# Altium PCB SONDE_2.PcbDoc (part 4 of 10)
Units mil, origin at the board's own origin, x right, y up, seen from the top; angles counter-clockwise.
Board outline 10236.22 x 6701.71 mil, 4 copper layers (Top Layer, GND, Internal Plane 2, Bottom Layer), stack 30.9 mil thick; 1794 components, 936 nets, 4747 pads, 493 vias.
Unrouted connection lines stored in the file: 1122.
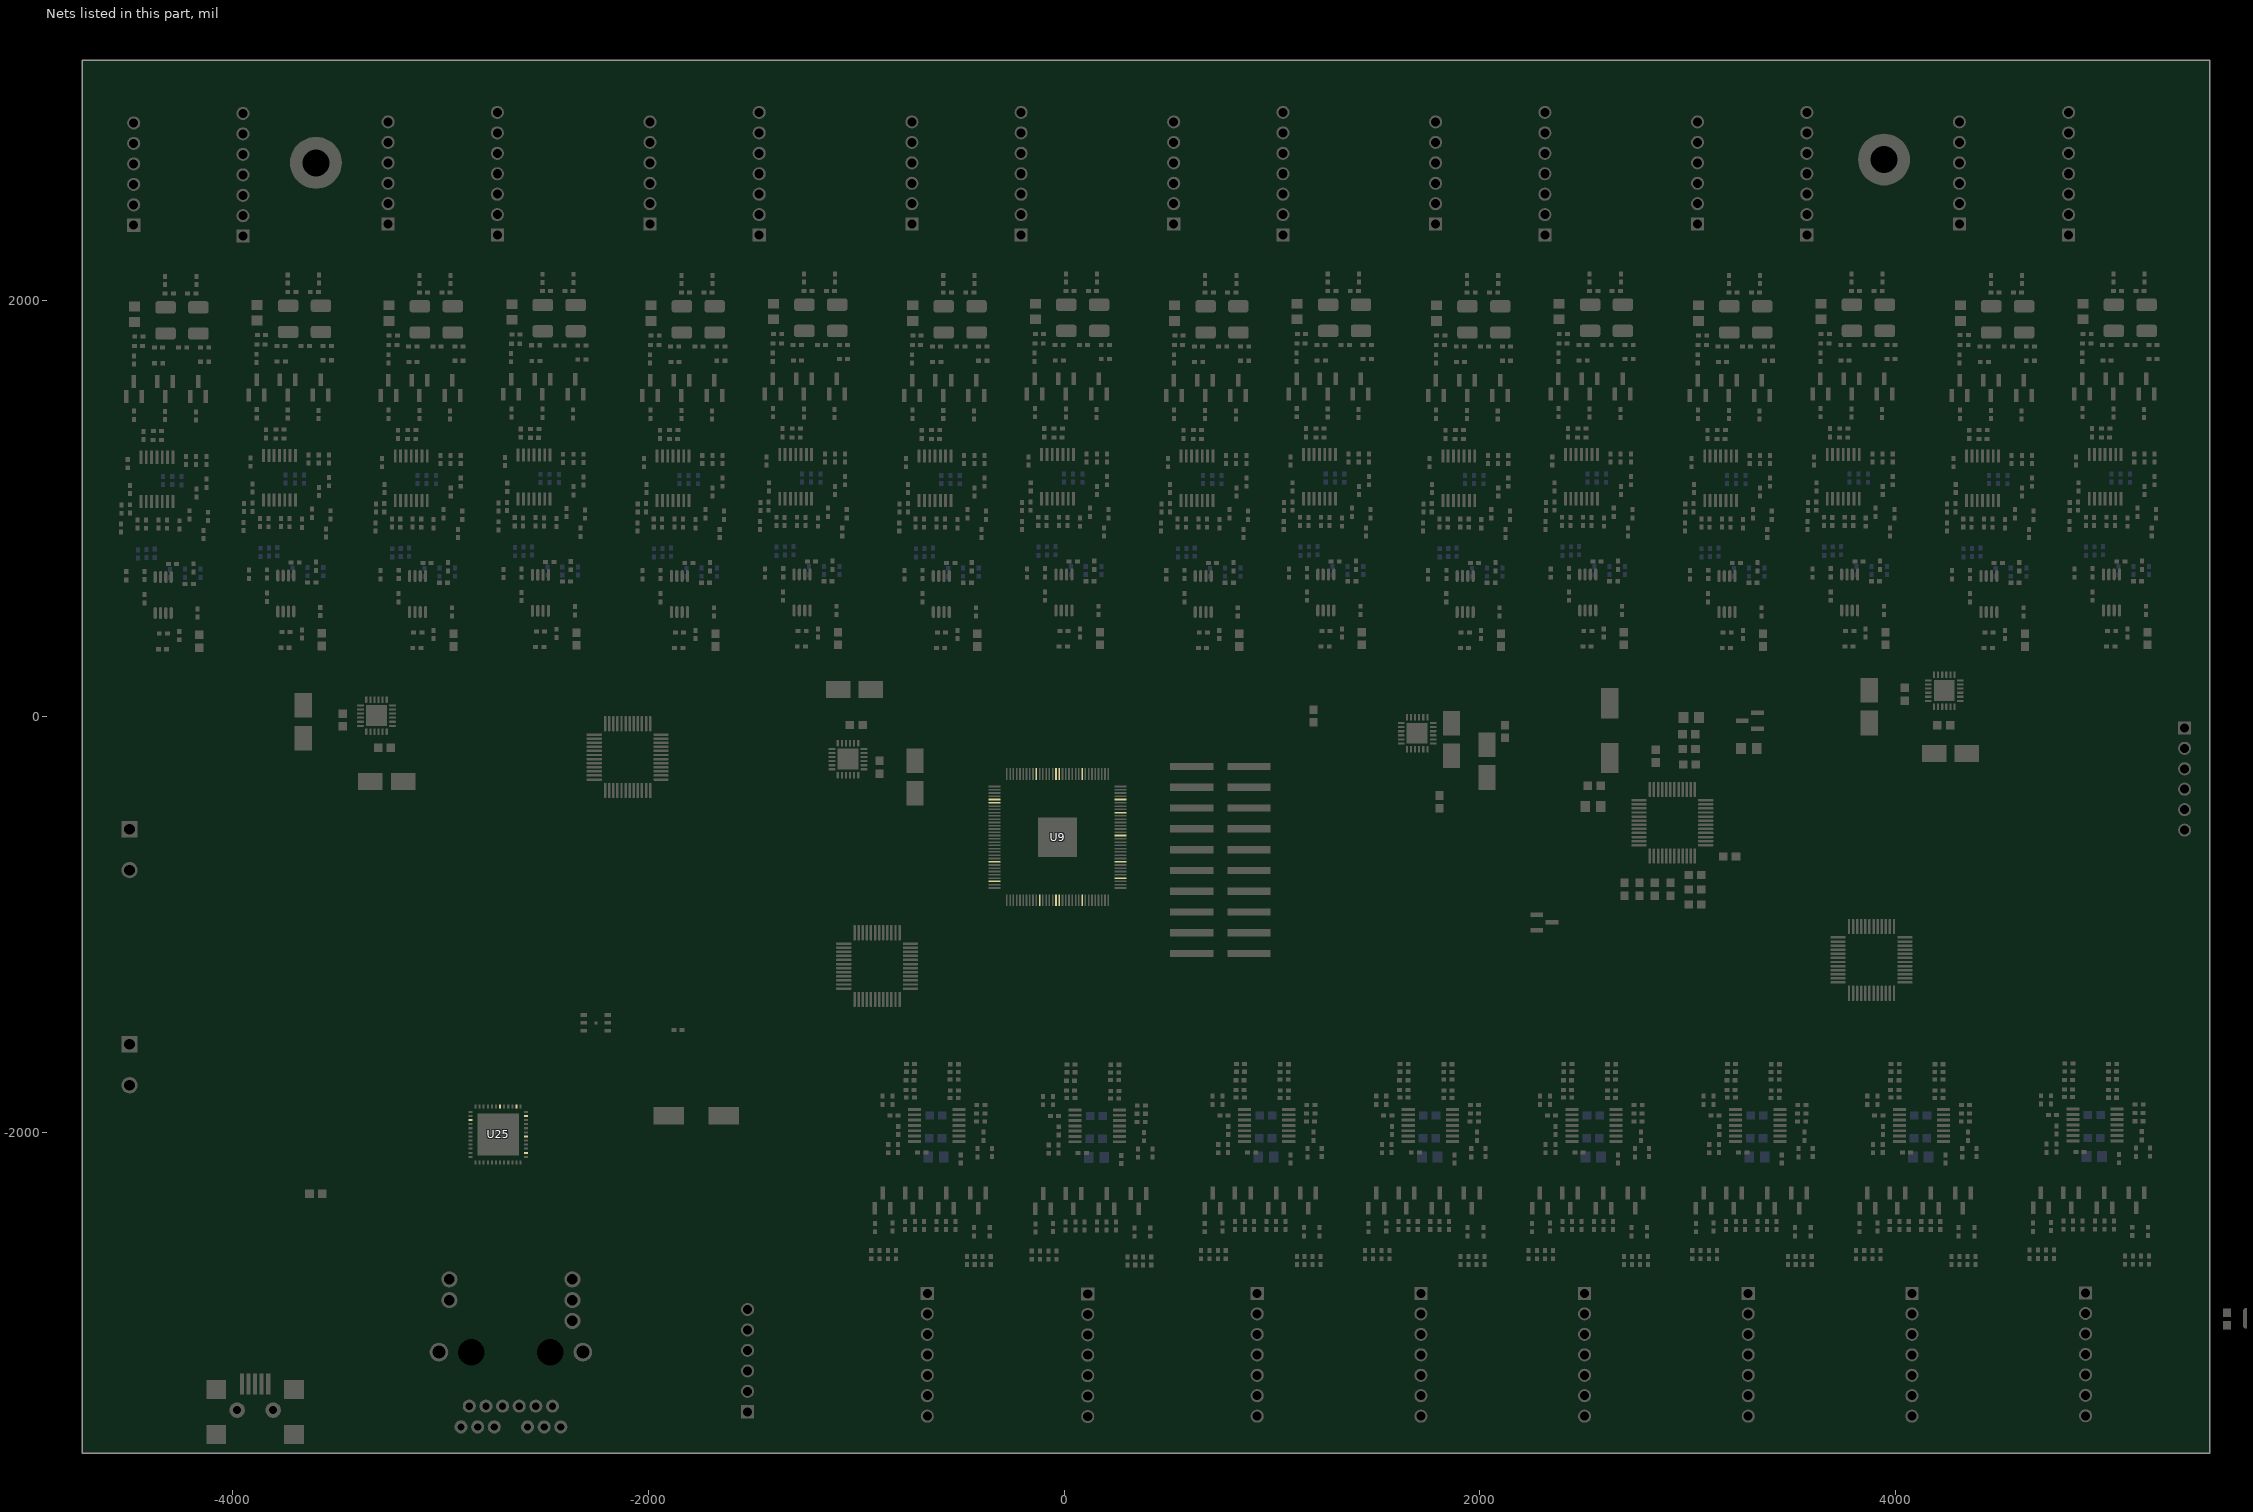
[diagram p6: the nets of this part, all layers, seen from the top]

## Components (designator, comment, footprint, x,y, rotation, side; value= is the part's Value field where it differs from the comment) (continued)
R108.2 "Resistor" 0402 274.57,-2130.54 r270 top (schematic designator R108)
R108.3 "Resistor" 0402 1089.74,-2128.46 r270 top (schematic designator R108)
R108.4 "Resistor" 0402 1877.14,-2128.46 r270 top (schematic designator R108)
R108.5 "Resistor" 0402 2664.54,-2128.46 r270 top (schematic designator R108)
R108.6 "Resistor" 0402 3451.95,-2128.46 r270 top (schematic designator R108)
R108.7 "Resistor" 0402 4239.35,-2128.46 r270 top (schematic designator R108)
R108.8 "Resistor" 0402 5074.57,-2126.38 r270 top (schematic designator R108)
R109 "Resistor" 0603 20670.1,-470.97 r90 top
R110 "Resistor" 0603 20949.1,-470.97 r90 top
R111 "Resistor" 0603 21219.1,-470.97 r90 top
R112 "Resistor" 0603 21469.1,-470.97 r90 top
R113 "Resistor" 0603 20400.1,-470.97 r90 top
R114 "Resistor" 0402 20114.1,-445.97 r90 top
R115 "Resistor" 0402 19843.1,-445.97 r90 top
R116 "Resistor" 0402 19573.1,-445.97 r90 top
R117 "Resistor" 0402 19033.1,-445.97 r90 top
R118 "RES - 1206" RES_1206 19337.1,-504.97 r90 top
R119 "Resistor" 0402 18762.1,-445.97 r90 top
R120 "Resistor" 0402 18482.1,-445.97 r90 top
R121 "RES - 1206" RES_1206 18256.1,-504.97 r90 top
R122 "Resistor" 0603 17958.1,-470.97 r90 top
R123 "Resistor" 0603 16560.1,-470.97 r90 top
R124 "Resistor" 0603 16000.1,-470.97 r90 top
R125 "Resistor" 0603 14180.1,-470.97 r90 top
R126 "Resistor" 0603 14460.1,-470.97 r90 top
R127 "Resistor" 0603 13900.1,-470.97 r90 top
R128 "RES - 0402" RES_0402 13326.1,-442.97 r90 top
R129 "Resistor" 0402 8292.1,1715.03 r90 top
R130 "Resistor" 0402 8012.1,1715.03 r90 top
R131 "Resistor" 0402 7752.1,1715.03 r90 top
R132 "Resistor" 0402 6551.1,1634.03 r90 top
R133 "Resistor" 0402 6832.25,1602.23 r90 top
R134 "Resistor" 0402 -1857.9,-1507.97 r180 top
R135 "Resistor" 0603 9266.1,-1637.97 r90 top
R136 "Resistor" 0603 9546.1,-1637.97 r90 top
R137 "Resistor" 0603 9826.1,-1637.97 r90 top
R138 "Resistor" 0603 6460.1,-1637.97 r90 top
R139 "Resistor" 0603 6740.1,-1637.97 r90 top
R140 "Resistor" 0603 7020.1,-1637.97 r90 top
S1 "SCREW" SCREW_4_40 -3599.67,2664.26 r0 top
S2 "SCREW" SCREW_4_40 7975.1,768.03 r0 top
S3 "SCREW" SCREW_4_40 7114.1,768.03 r0 top
S4 "SCREW" SCREW_4_40 3944.3,2680 r0 top
SW1 "Button" BUTTON_WS-TASV 13734.1,3570.03 r0 top
SW2 "Button" BUTTON_WS-TASV 13209.1,3570.03 r0 top
TP1 "TESTPOINT" 0603 13023.1,862.03 r0 top
TP2 "TESTPOINT" 0603 13202.1,831.03 r90 top
TP3 "TESTPOINT" 0603 12302.1,831.03 r90 top
TP4 "TESTPOINT" 0603 12532.1,831.03 r90 top
TP5 "TESTPOINT" 0603 12762.1,831.03 r90 top
TP6 "TESTPOINT" 0603 11102.1,831.03 r90 top
TP7 "TESTPOINT" 0603 11332.1,831.03 r90 top
TP8 "TESTPOINT" 0603 11562.1,831.03 r90 top
TP9 "TESTPOINT" 0603 11792.1,831.03 r90 top
TP10 "TESTPOINT" 0603 12022.1,831.03 r90 top
TP11 "TESTPOINT" 0603 10622.1,831.03 r90 top
TP12 "TESTPOINT" 0603 9842.1,831.03 r90 top
TP13 "TESTPOINT" 0603 10122.1,831.03 r90 top
TP14 "TESTPOINT" 0603 9282.1,831.03 r90 top
TP15 "TESTPOINT" 0603 9562.1,831.03 r90 top
TP16 "TESTPOINT" 0603 9002.1,831.03 r90 top
TP17 "TESTPOINT" 0603 8723.1,831.03 r90 top
TP18 "TESTPOINT" 0603 9502.1,3155.03 r90 top
U1 "CS2100_CP" MSOP10 7443.1,-2040.97 r90 top
U2 "OSC_ASDMB" OSC_ADSMB 7239.1,-1990.97 r0 top
U3 "REG_SW_AP3513EMPTR-G1" AP3513EMPTR-G1 -1765.65,-4566 r90 top
U4 "LP38693" SOT-223-5 -2463.75,-4652.03 r180 top
U5 "REG_LDO_LT1118" SOT-223-3 -3896.75,-4849.03 r90 top
U7 "TL783" TL783 -9240,-120 r180 bottom
U8 "REG_SW_MP3425DL-LF-Z" "14-VFDFN Exposed Pad" 6807.35,-3108 r0 top
U9 "Value" TQFP128_XMOS -31.62,-580 r90 top
U10 "USBLC6-2" USBLC6-2 6944.1,3160.03 r0 top
U11.1 "MCP1700" SOT23_132 3299.09,-19.72 r180 top (schematic designator U11)
U11.2 "MCP1700" SOT23_132 12847.1,4832.03 r90 top (schematic designator U11)
U12.1 "CS5368" LQFP_48L_CIRRUS 2925.96,-510.39 r270 top (schematic designator U12)
U12.2 "CS5368" LQFP_48L_CIRRUS -2100,-194.37 r0 top (schematic designator U12)
U13 "AD5144BCPZ10-RL7" QFN50P400X400X100-25N 4233.79,124.97 r180 top
U14 "AD5144BCPZ10-RL7" QFN50P400X400X100-25N -1040,-204.21 r0 top
U15 "AD5144BCPZ10-RL7" QFN50P400X400X100-25N 1698,-80 r0 top
U16 "AD5144BCPZ10-RL7" QFN50P400X400X100-25N -3308,5 r180 top
U17.1 "OPA_DUAL" SOP127P600-8N -4334.03,584.72 r270 top (schematic designator U17)
U17.2 "OPA_DUAL" SOP127P600-8N -3744.35,592.2 r270 top (schematic designator U17)
U17.3 "OPA_DUAL" SOP127P600-8N -3110.44,589.86 r270 top (schematic designator U17)
U17.4 "OPA_DUAL" SOP127P600-8N -2519.41,595.45 r270 top (schematic designator U17)
U17.5 "OPA_DUAL" SOP127P600-8N -1850.6,589.86 r270 top (schematic designator U17)
U17.6 "OPA_DUAL" SOP127P600-8N -1260.93,597.33 r270 top (schematic designator U17)
U17.7 "OPA_DUAL" SOP127P600-8N -590.76,589.86 r270 top (schematic designator U17)
U17.8 "OPA_DUAL" SOP127P600-8N -1.09,597.33 r270 top (schematic designator U17)
U17.9 "OPA_DUAL" SOP127P600-8N 669.08,589.86 r270 top (schematic designator U17)
U17.10 "OPA_DUAL" SOP127P600-8N 1258.76,597.33 r270 top (schematic designator U17)
U17.11 "OPA_DUAL" SOP127P600-8N 1928.93,589.86 r270 top (schematic designator U17)
U17.12 "OPA_DUAL" SOP127P600-8N 2518.6,597.33 r270 top (schematic designator U17)
U17.13 "OPA_DUAL" SOP127P600-8N 3188.77,589.86 r270 top (schematic designator U17)
U17.14 "OPA_DUAL" SOP127P600-8N 3778.44,597.33 r270 top (schematic designator U17)
U17.15 "OPA_DUAL" SOP127P600-8N 4448.61,589.86 r270 top (schematic designator U17)
U17.16 "OPA_DUAL" SOP127P600-8N 5038.28,597.33 r270 top (schematic designator U17)
U18.1 "OPA1664" 14-TSSOP -4364.55,1137.72 r180 top (schematic designator U18)
U18.2 "OPA1664" 14-TSSOP -3774.88,1145.2 r180 top (schematic designator U18)
U18.3 "OPA1664" 14-TSSOP -3140.97,1142.86 r180 top (schematic designator U18)
U18.4 "OPA1664" 14-TSSOP -2549.94,1148.45 r180 top (schematic designator U18)
U18.5 "OPA1664" 14-TSSOP -1881.13,1142.86 r180 top (schematic designator U18)
U18.6 "OPA1664" 14-TSSOP -1291.46,1150.33 r180 top (schematic designator U18)
U18.7 "OPA1664" 14-TSSOP -621.29,1142.86 r180 top (schematic designator U18)
U18.8 "OPA1664" 14-TSSOP -31.62,1150.33 r180 top (schematic designator U18)
U18.9 "OPA1664" 14-TSSOP 638.56,1142.86 r180 top (schematic designator U18)
U18.10 "OPA1664" 14-TSSOP 1228.23,1150.33 r180 top (schematic designator U18)
U18.11 "OPA1664" 14-TSSOP 1898.4,1142.86 r180 top (schematic designator U18)
U18.12 "OPA1664" 14-TSSOP 2488.07,1150.33 r180 top (schematic designator U18)
U18.13 "OPA1664" 14-TSSOP 3158.24,1142.86 r180 top (schematic designator U18)
U18.14 "OPA1664" 14-TSSOP 3747.91,1150.33 r180 top (schematic designator U18)
U18.15 "OPA1664" 14-TSSOP 4418.08,1142.86 r180 top (schematic designator U18)
U18.16 "OPA1664" 14-TSSOP 5007.75,1150.33 r180 top (schematic designator U18)
U19 "ST1S06PUR" DFN6_ST1S06 -2253,-1473 r0 top
U20 "REG_SW_AP3513EMPTR-G1" AP3513EMPTR-G1 19404.1,3607.03 r0 top
U21 "MIC2774N-29YM5-TR" SOT23_5 14207.1,3681.03 r0 top
U22.1 "MCP1700" SOT23_132 2310,-990 r0 top (schematic designator U22)
U22.2 "MCP1700" SOT23_132 10285.1,5822.03 r90 top (schematic designator U22)
U23.1 "CS4384" LQFP_48L_CIRRUS 3883.76,-1170.47 r0 top (schematic designator U23)
U23.2 "CS4384" LQFP_48L_CIRRUS -900,-1200 r0 top (schematic designator U23)
U24.1 "OPA1664" 14-TSSOP -609.08,-1966.46 r270 top (schematic designator U24)
U24.2 "OPA1664" 14-TSSOP 163,-1968.54 r270 top (schematic designator U24)
U24.3 "OPA1664" 14-TSSOP 978.18,-1966.46 r270 top (schematic designator U24)
U24.4 "OPA1664" 14-TSSOP 1765.58,-1966.46 r270 top (schematic designator U24)
U24.5 "OPA1664" 14-TSSOP 2552.98,-1966.46 r270 top (schematic designator U24)
U24.6 "OPA1664" 14-TSSOP 3340.38,-1966.46 r270 top (schematic designator U24)
U24.7 "OPA1664" 14-TSSOP 4127.78,-1966.46 r270 top (schematic designator U24)
U24.8 "OPA1664" 14-TSSOP 4963,-1964.38 r270 top (schematic designator U24)
U25 "PHY_ KSZ9021RN" PHY_KSZ9021RN -2721.94,-2010.15 r90 top
U26 "CONN_RJ45_L829_1J1T_43" L829-1J1T-43 -2661.59,-3057 r0 top
U27 "OSC_ASDMB" OSC_ADSMB 13181.1,-484.97 r0 top
U28 "OPA1622" 10-VFDFN 9461.1,1669.03 r0 top

## Footprints (in the part's own frame and the unit in brackets; to place one, negate y for a bottom-side part, rotate by r counter-clockwise, add the part's x,y. Pads: shape width x height; smd on the part's side, far side on the other; paste and mask are expansions set on the pad)
10-VFDFN [mm]
  rrect50% 0.6x0.24 smd paste-0.025 mask+0.05: 1(-1.4,1) 2(-1.4,0.5) 3(-1.4,0) 4(-1.4,-0.5) 5(-1.4,-1) 6(1.4,-1) 7(1.4,-0.5) 8(1.4,0) 9(1.4,0.5) 10(1.4,1)
  rrect5% 0.25x0.5 smd paste-0.025 mask+0.05: 11(-0.25,-1.45) 11(-0.25,1.45) 11(0.25,-1.45) 11(0.25,1.45)
  rrect5% 1.65x2.4 smd paste-0.025 mask+0.05: 11(0,0)
  silkscreen extent -2.8,-2 2,2, body extent -1.56,-1.56 1.56,1.56, height 1
14-TSSOP [mm]
  rect 0.35x1.6 smd paste+0 mask+0.05: 1(-1.95,-2.8) 2(-1.3,-2.8) 3(-0.65,-2.8) 4(0,-2.8) 5(0.65,-2.8) 6(1.3,-2.8) 7(1.95,-2.8) 8(1.95,2.6) 9(1.3,2.6) 10(0.65,2.6) 11(0,2.6) 12(-0.65,2.6) 13(-1.3,2.6) 14(-1.95,2.6)
  silkscreen extent -2.6,-4.59 2.6,3.9, body extent -2.55,-3.2 2.55,3.2, height 1.2
"14-VFDFN Exposed Pad" [mm]
  rect 0.7x0.25 smd paste-0.025 mask+0.07: 1(-1.45,1.5) 2(-1.45,1) 3(-1.45,0.5) 4(-1.45,0) 5(-1.45,-0.5) 6(-1.45,-1) 7(-1.45,-1.5) 8(1.45,-1.5) 9(1.45,-1) 10(1.45,-0.5) 11(1.45,0) 12(1.45,0.5) 13(1.45,1) 14(1.45,1.5)
  rect 1.7x3.3 smd paste-0.025 mask+0.07: 15(0,0)
  silkscreen extent -2.96,-2.16 2.31,2.13, body extent -1.5,-1.99 1.5,1.99, height 0.77
0402 [mm] "Chip Capacitor, Body 1.0x0.5mm, IPC High Density"
  rect 0.6x0.5 smd: 1(-0.5,0) 2(0.5,0)
  silkscreen extent -0.9,-0.35 0.9,0.35, body extent -0.55,-0.3 0.55,0.3, height 1.3
0603 [mm]
  rect 1.05x1 smd: 1(-0.775,0) 2(0.775,0)
  silkscreen extent 0,-0.08 0,0.08, body extent -0.85,-0.47 0.85,0.48, height 0.55
0805 [mm]
  rect 1.2x1.35 smd: 1(-0.95,0) 2(0.95,0)
  silkscreen extent -0.15,-0.58 0.15,0.57, body extent -1.1,-0.68 1.1,0.67, height 0.65
0805_LED [mm]
  rect 1.2x1.35 smd: A(0.95,0) K(-0.95,0)
  silkscreen extent -0.15,-0.58 0.15,0.58, body extent -1.1,-0.67 1.1,0.67, height 0.65
1206 [mm]
  rect 1.45x1.8 smd: 1(-1.425,0) 2(1.425,0)
  silkscreen extent -0.3,-0.8 0.3,0.8, body extent -1.73,-0.88 1.72,0.87, height 0.7
1206_PTC [mm]
  rect 1.1x1.75 smd paste+0.025 mask+0.07: 1(-1.55,0) 2(1.55,0)
  silkscreen extent -2.74,-1.27 2.64,1.27, body extent -1.52,-0.8 1.68,0.85, height 0.56
AP3513EMPTR-G1 [mm] "SW REG"
  rect 0.65x1.5 smd paste-0.025 mask+0.07: 1(-1.905,-2.7) 2(-0.635,-2.7) 3(0.635,-2.7) 4(1.905,-2.7) 5(1.905,2.7) 6(0.635,2.7) 7(-0.635,2.7) 8(-1.905,2.7)
  rect 3.6x2.7 smd paste-0.025 mask+0.07: 9(0,0)
  silkscreen extent -2.9,-4.35 2.9,3.81, body extent -2.45,-3 2.45,3, height 1.7
BUTTON_WS-TASV [mm]
  rect 1.3x1.55 smd mask+0.12: 1(2.25,3.975) 2(-2.25,3.975) 3(2.25,-3.975) 4(-2.25,-3.975)
  silkscreen extent -3,-3 3,3, body extent -3.1,-4.5 3.1,4.5, height 5
CAP_1210 [mm]
  rrect40% 1.5x2.5 smd: 1(-1.6,0) 2(1.6,0)
  silkscreen extent -2.54,-1.78 2.54,1.78, body extent -1.57,-1.24 1.63,1.26, height 2.5
CAP_ALU_1010_vishay [mm]
  rrect50% 4.4x2.5 smd: 1(8.4,0) 2(0,0)
  silkscreen extent -0.72,-6.05 11.22,5.28, body extent -1.4,-5.17 10.2,5.13, height 10.2
CAP_RAD_SMD_DIA157 [mm]
  rect 3x2.1 smd: +(-2,0) -(2,0)
  silkscreen extent -2.15,-2.15 2.15,2.15, body extent -2.13,-2.15 2.15,2.15, height 5.2
CAP_RAD_SMD_DIA315 [mm]
  rect 3.7x2.1 smd: +(-3.35,0) -(3.35,0)
  silkscreen extent -4.15,-4.15 4.15,4.15, body extent -3.97,-3.99 4,3.99, height 6
CONN6_100mils_pol_SMD [mm]
  rect 0.89x5.308 smd mask+0.12: 1(-2.54,-3.504) 2(-2.54,3.504) 3(0,-3.504) 4(0,3.504) 5(2.54,-3.504) 6(2.54,3.504)
  silkscreen extent -7.62,-5.64 7.62,5.1, body extent -7.62,-5.1 7.62,5.1, height 9
CONN20_100mils_pol_SMD [mm]
  rect 0.89x5.308 smd mask+0.12: 1(-11.43,-3.504) 2(-11.43,3.504) 3(-8.89,-3.504) 4(-8.89,3.504) 5(-6.35,-3.504) 6(-6.35,3.504) 7(-3.81,-3.504) 8(-3.81,3.504) 9(-1.27,-3.504) 10(-1.27,3.504) 11(1.27,-3.504) 12(1.27,3.504) 13(3.81,-3.504) 14(3.81,3.504) 15(6.35,-3.504) 16(6.35,3.504) 17(8.89,-3.504) 18(8.89,3.504) 19(11.43,-3.504) 20(11.43,3.504)
  silkscreen extent -16.51,-5.61 16.51,5.1, body extent -16.51,-5.1 16.51,5.1, height 9
CONN_6_HEADER [mm]
  rect 1.6x1.6 hole 1.1: 1(-6.25,0)
  round 1.6 hole 1.1: 2(-3.75,0) 3(-1.25,0) 4(1.25,0) 5(3.75,0) 6(6.25,0)
  silkscreen extent -8.75,-3.13 8.75,3.5, body extent -8.65,-2.39 8.75,3.36, height 7
CONN_7_HEADER [mm]
  rect 1.6x1.6 hole 1.1 mask+0.07: 1(-7.5,0)
  round 1.6 hole 1.1 mask+0.07: 2(-5,0) 3(-2.5,0) 4(0,0) 5(2.5,0) 6(5,0) 7(7.5,0)
  silkscreen extent -10.16,-3.4 9.91,3.5, body extent -9.99,-2.39 9.91,3.36, height 7
CONN_USB_MINIB_690-005-299-043 [mm]
  rect 2.6x0.5 smd mask+0.076: 1(-3.1,-1.6) 2(-3.1,-0.8) 3(-3.1,0) 4(-3.1,0.8) 5(-3.1,1.6)
  rect 2.3x2.4 smd: MH1(-2.4,-4.75) MH2(3.1,-4.75) MH3(3.1,4.75) MH4(-2.4,4.75)
  round 1.905 hole 1: ""(0.1,2.2) ""(0.1,-2.2)
  silkscreen extent -4.17,-2.43 -3.92,-2.18, body extent -3.33,-5.12 5.97,5.13, height 4.24
DFN6_ST1S06 [mm]
  rect 0.8x0.45 smd: 1(-1.45,0.95) 2(-1.45,0) 3(-1.45,-0.95) 4(1.45,-0.95) 5(1.45,0) 6(1.45,0.95)
  rect 0.35x0.35 smd: PAD(0,0)
  Top Layer region: -0.75,1 -0.5,1.25 0.75,1.25 0.75,-1.25 -0.75,-1.25
  silkscreen extent -2.47,-1.5 0.65,1.5, body extent -1.5,-1.5 1.5,1.5, height 0.9
DIODE_DO-214AC/SMA [mm]
  rect 2.3x1.8 smd: A(2.125,0) K(-2.125,0)
  silkscreen extent -3.05,-1.4 2.25,1.78, body extent -2.25,-1.39 2.25,1.4, height 2.29
DIODE_SMA [mil]
  rect 74x66 smd: A(81,0) K(-81,0)
  silkscreen extent -117,-56 89,57, body extent -89,-56 89,56, height 98
DO-214AB [mm]
  rect 2.5x3.3 smd: 1(-3.45,0) 2(3.45,0)
  silkscreen extent -5.33,-2.29 6.1,2.29, body extent -2.74,-1.4 2.74,1.4, height 1.14
FIDUCIAL [mm]
  rrect100% 1x1 smd mask+1: 0(0,0)
IND_252012CDMC/DS [mm]
  rect 0.9x2.2 smd: 1(-1.05,0) 2(1.05,0)
  silkscreen extent -0.05,-1 0.05,1, body extent -1.25,-1 1.25,1, height 1.2
L829-1J1T-43 [mil]
  round 63 hole 35 paste+0 mask+2.7: 1(-200,-260) 2(-120,-260) 3(-40,-260) 4(40,-260) 5(120,-260) 6(200,-260) 7(-240,-360) 8(-160,-360) 9(-80,-360) 10(80,-360) 11(160,-360) 12(240,-360)
  round 78 hole 50 paste+0 mask+2.7: 13(-296,250) 14(-296,350) 15(296,150) 16(296,250) 17(296,350)
  round 90 hole 62 paste+0 mask+2.7: 18(-346,0) 19(346,0)
  round 0 hole 128 paste+0 mask+2.7: ""(-190,0) ""(190,0)
  silkscreen extent -444,-459 408,407, body extent -401,-424 401,543, height 493
LQFP_48L_CIRRUS [mm]
  rrect50% 1.85x0.3 smd mask+0.06: 1(-4.075,2.75) 2(-4.075,2.25) 3(-4.075,1.75) 4(-4.075,1.25) 5(-4.075,0.75) 6(-4.075,0.25) 7(-4.075,-0.25) 8(-4.075,-0.75) 9(-4.075,-1.25) 10(-4.075,-1.75) 11(-4.075,-2.25) 12(-4.075,-2.75) 25(4.075,-2.75) 26(4.075,-2.25) 27(4.075,-1.75) 28(4.075,-1.25) 29(4.075,-0.75) 30(4.075,-0.25) 31(4.075,0.25) 32(4.075,0.75) 33(4.075,1.25) 34(4.075,1.75) 35(4.075,2.25) 36(4.075,2.75)
  rrect50% 0.3x1.85 smd mask+0.06: 13(-2.75,-4.075) 14(-2.25,-4.075) 15(-1.75,-4.075) 16(-1.25,-4.075) 17(-0.75,-4.075) 18(-0.25,-4.075) 19(0.25,-4.075) 20(0.75,-4.075) 21(1.25,-4.075) 22(1.75,-4.075) 23(2.25,-4.075) 24(2.75,-4.075) 37(2.75,4.075) 38(2.25,4.075) 39(1.75,4.075) 40(1.25,4.075) 41(0.75,4.075) 42(0.25,4.075) 43(-0.25,4.075) 44(-0.75,4.075) 45(-1.25,4.075) 46(-1.75,4.075) 47(-2.25,4.075) 48(-2.75,4.075)
  silkscreen extent -4.81,-2.75 2.75,3.45, body extent -4.5,-4.5 4.5,4.5, height 1.6
MSOP10 [mm]
  rect 1.4x0.3 smd mask+0.04: 1(-2.25,1) 2(-2.25,0.5) 3(-2.25,0) 4(-2.25,-0.5) 5(-2.25,-1) 6(2.25,-1) 7(2.25,-0.5) 8(2.25,0) 9(2.25,0.5) 10(2.25,1)
  silkscreen extent -2.82,-1.6 1.2,1.82, body extent -2.4,-1.5 2.4,1.5, height 1.1
OSC_ADSMB [mm]
  rect 1.55x0.65 smd mask+0.07: 1(-1.125,0.825) 2(-1.125,-0.825) 3(1.125,-0.825) 4(1.125,0.825)
  silkscreen extent -2.57,-1.6 1.6,1.6, body extent -1,-1.25 1,1.25, height 0.86
PHY_KSZ9021RN [mm] "QFN, 48-Leads, Body 7,00x7,00mm, Pitch 0,50mm, Thermal Pad 5,10x5,10mm, IPC Medium Density"
  rect 0.5x0.25 smd mask+0.05: 1(-3.4,2.79) 2(-3.4,2.29) 3(-3.4,1.79) 4(-3.4,1.29) 5(-3.4,0.79) 6(-3.4,0.29) 7(-3.4,-0.21) 8(-3.4,-0.71) 9(-3.4,-1.21) 10(-3.4,-1.71) 11(-3.4,-2.21) 12(-3.4,-2.71) 25(3.4,-2.71) 26(3.4,-2.21) 27(3.4,-1.71) 28(3.4,-1.21) 29(3.4,-0.71) 30(3.4,-0.21) 31(3.4,0.29) 32(3.4,0.79) 33(3.4,1.29) 34(3.4,1.79) 35(3.4,2.29) 36(3.4,2.79)
  rect 0.25x0.5 smd mask+0.05: 13(-2.74,-3.4) 14(-2.24,-3.4) 15(-1.74,-3.4) 16(-1.24,-3.4) 17(-0.74,-3.4) 18(-0.24,-3.4) 19(0.26,-3.4) 20(0.76,-3.4) 21(1.26,-3.4) 22(1.76,-3.4) 23(2.26,-3.4) 24(2.76,-3.4) 37(2.76,3.4) 38(2.26,3.4) 39(1.76,3.4) 40(1.26,3.4) 41(0.76,3.4) 42(0.26,3.4) 43(-0.24,3.4) 44(-0.74,3.4) 45(-1.24,3.4) 46(-1.74,3.4) 47(-2.24,3.4) 48(-2.74,3.4)
  rect 5.1x5.1 smd mask+0.05: 49(0,0)
  silkscreen extent -4.76,-3.98 4.01,3.99, body extent -3.52,-3.52 3.53,3.53, height 0.9
QFN50P400X400X100-25N [mm]
  rrect50% 0.81x0.26 smd paste-0.025 mask+0.05: 1(-1.955,1.25) 2(-1.955,0.75) 3(-1.955,0.25) 4(-1.955,-0.25) 5(-1.955,-0.75) 6(-1.955,-1.25) 13(1.955,-1.25) 14(1.955,-0.75) 15(1.955,-0.25) 16(1.955,0.25) 17(1.955,0.75) 18(1.955,1.25)
  rrect50% 0.26x0.81 smd paste-0.025 mask+0.05: 7(-1.25,-1.955) 8(-0.75,-1.955) 9(-0.25,-1.955) 10(0.25,-1.955) 11(0.75,-1.955) 12(1.25,-1.955) 19(1.25,1.955) 20(0.75,1.955) 21(0.25,1.955) 22(-0.25,1.955) 23(-0.75,1.955) 24(-1.25,1.955)
  rect 2.546x2.546 smd paste-0.025 mask+0.05: 25(0,0)
  silkscreen extent -3.1,-2 2,2, body extent -2,-2 2,2, height 0.9
RES_0402 [mil]
  rrect60% 20x20 smd: 1(-17.5,0) 2(17.5,0)
  silkscreen extent -32,-15 32,15, body extent -23,-11 23,11, height 16
RES_1206 [mil]
  rrect34% 47x71 smd: 1(-57,0) 2(57,0)
  silkscreen extent -91,-45 91,45, body extent -66,-34 66,34, height 33
SCREW_4_40 [mil]
  rrect100% 250x250 hole 130 mask+0.79: 1(0,0)
SOD-123F [mm]
  rect 1.15x1.3 smd paste-0.025 mask+0.07: 1(-1.55,0) 2(1.55,0)
  silkscreen extent -2.54,-1.27 3.3,1.27, body extent -1.85,-0.85 1.9,0.85, height 1.2
SOP127P600-8N [mm]
  oval 1.45x0.401 smd mask+0.04: 1(-2.2,0.975) 2(-2.2,0.325) 3(-2.2,-0.325) 4(-2.2,-0.975) 5(2.2,-0.975) 6(2.2,-0.325) 7(2.2,0.325) 8(2.2,0.975)
  silkscreen extent -2.32,-1.55 0.93,1.88, body extent -1.55,-1.55 1.55,1.55, height 1.1
SOT23_5 [mm]
  rect 0.9x0.6 smd mask+0.07: 1(-1.2,0.95) 2(-1.2,0) 3(-1.2,-0.95) 4(1.2,-0.95) 5(1.2,0.95)
  silkscreen extent -1.32,-1.5 0.35,1.92, body extent -0.87,-1.5 0.87,1.5, height 1.45
SOT23_132 [mm]
  rect 1.55x0.55 smd: 1(-0.925,0.95) 2(-0.925,-0.95) 3(0.925,0)
  silkscreen extent -1.05,-1.5 0.7,1.9, body extent -0.7,-1.5 0.7,1.5, height 1.2
SOT23_GDS [mm]
  rect 1.55x0.55 smd: D(0.925,0) G(-0.925,0.95) S(-0.925,-0.95)
  silkscreen extent -1.05,-1.5 0.7,1.9, body extent -0.7,-1.5 0.7,1.5, height 1.2
SOT-223-3 [mil]
  rect 39x59 smd paste-0.98 mask+2.76: 1(-90,-124) 2(0,-124) 3(90,-124)
  rect 129x59 smd paste-0.98 mask+2.76: 4(0,124)
  silkscreen extent -130,-230 130,180, body extent -132,-144 132,144, height 71
SOT-223-5 [mm]
  rect 1x1.5 smd paste-0.025 mask+0.07: 1(-2.25,-3.15) 2(-0.75,-3.15) 3(0.75,-3.15) 4(2.25,-3.15)
  rect 3.3x1.5 smd paste-0.025 mask+0.07: 5(0,3.15)
  silkscreen extent -3.81,-5.59 3.81,4.32, body extent -3.35,-3.64 3.35,3.65, height 1.81
SRN5040-4R7M [mm] "inductor"
  rect 1.5x4 smd paste-0.025 mask+0.07: 1(-1.8,0) 2(1.8,0)
  silkscreen extent -3.17,-3.2 3.17,3.05, body extent -2.5,-2.53 2.5,2.47, height 4
"TERM BLOCK" [mm]
  rect 2x2 hole 1.3 paste-0.025 mask+0.07: 1(-2.5,0)
  round 2 hole 1.3 paste-0.025 mask+0.07: 2(2.5,0)
  silkscreen extent -5.61,-5.61 6.02,4.57, body extent -5.01,-5.04 5.39,3.96, height 11.7
TL783 [mm] "TO-263-4"
  rect 1x3.4 smd paste-0.05 mask+0.07: 1(-2.54,-10.6) 2(0,-10.6) 3(2.54,-10.6)
  rect 10.7x8.6 smd paste-0.05 mask+0.07: 4(0,0)
  silkscreen extent -6.6,-13.26 6.6,5.03, body extent -5.28,-10.16 5.38,2.11, height 1.7
TQFP128_XMOS [mm]
  rect 1.45x0.2 smd mask+0.051: 1(-7.7,6.2) 2(-7.7,5.8) 3(-7.7,5.4) 4(-7.7,5) 5(-7.7,4.6) 6(-7.7,4.2) 7(-7.7,3.8) 8(-7.7,3.4) 9(-7.7,3) 10(-7.7,2.6) 11(-7.7,2.2) 12(-7.7,1.8) 13(-7.7,1.4) 14(-7.7,1) 15(-7.7,0.6) 16(-7.7,0.2) 17(-7.7,-0.2) 18(-7.7,-0.6) 19(-7.7,-1) 20(-7.7,-1.4) 21(-7.7,-1.8) 22(-7.7,-2.2) 23(-7.7,-2.6) 24(-7.7,-3) 25(-7.7,-3.4) 26(-7.7,-3.8) 27(-7.7,-4.2) 28(-7.7,-4.6) 29(-7.7,-5) 30(-7.7,-5.4) 31(-7.7,-5.8) 32(-7.7,-6.2) 65(7.7,-6.2) 66(7.7,-5.8) 67(7.7,-5.4) 68(7.7,-5) 69(7.7,-4.6) 70(7.7,-4.2) 71(7.7,-3.8) 72(7.7,-3.4) 73(7.7,-3) 74(7.7,-2.6) 75(7.7,-2.2) 76(7.7,-1.8) 77(7.7,-1.4) 78(7.7,-1) 79(7.7,-0.6) 80(7.7,-0.2) 81(7.7,0.2) 82(7.7,0.6) 83(7.7,1) 84(7.7,1.4) 85(7.7,1.8) 86(7.7,2.2) 87(7.7,2.6) 88(7.7,3) 89(7.7,3.4) 90(7.7,3.8) 91(7.7,4.2) 92(7.7,4.6) 93(7.7,5) 94(7.7,5.4) 95(7.7,5.8) 96(7.7,6.2)
  rect 0.2x1.45 smd mask+0.051: 33(-6.2,-7.7) 34(-5.8,-7.7) 35(-5.4,-7.7) 36(-5,-7.7) 37(-4.6,-7.7) 38(-4.2,-7.7) 39(-3.8,-7.7) 40(-3.4,-7.7) 41(-3,-7.7) 42(-2.6,-7.7) 43(-2.2,-7.7) 44(-1.8,-7.7) 45(-1.4,-7.7) 46(-1,-7.7) 47(-0.6,-7.7) 48(-0.2,-7.7) 49(0.2,-7.7) 50(0.6,-7.7) 51(1,-7.7) 52(1.4,-7.7) 53(1.8,-7.7) 54(2.2,-7.7) 55(2.6,-7.7) 56(3,-7.7) 57(3.4,-7.7) 58(3.8,-7.7) 59(4.2,-7.7) 60(4.6,-7.7) 61(5,-7.7) 62(5.4,-7.7) 63(5.8,-7.7) 64(6.2,-7.7) 97(6.2,7.7) 98(5.8,7.7) 99(5.4,7.7) 100(5,7.7) 101(4.6,7.7) 102(4.2,7.7) 103(3.8,7.7) 104(3.4,7.7) 105(3,7.7) 106(2.6,7.7) 107(2.2,7.7) 108(1.8,7.7) 109(1.4,7.7) 110(1,7.7) 111(0.6,7.7) 112(0.2,7.7) 113(-0.2,7.7) 114(-0.6,7.7) 115(-1,7.7) 116(-1.4,7.7) 117(-1.8,7.7) 118(-2.2,7.7) 119(-2.6,7.7) 120(-3,7.7) 121(-3.4,7.7) 122(-3.8,7.7) 123(-4.2,7.7) 124(-4.6,7.7) 125(-5,7.7) 126(-5.4,7.7) 127(-5.8,7.7) 128(-6.2,7.7)
  rect 4.8x4.8 smd paste-5: 129(0,0)
  silkscreen extent -8.32,-6.55 6.55,6.97, body extent -7,-7 7,7, height 1.01
USBLC6-2 [mm]
  rect 0.99x0.3 smd mask+0.05: 1(-0.805,0.5) 2(-0.805,0) 3(-0.805,-0.5) 4(0.805,-0.5) 5(0.805,0) 6(0.805,0.5)
  silkscreen extent -0.93,-0.85 0.05,1.32, body extent -0.65,-0.85 0.65,0.85, height 0.6

## Part data
C5 C6 C8 C9 C15 C35.1 C35.2 C42 C43 C44 C45 C50 C51 C52 C53 C90 C91 C93 C94 C126.1 C126.2 C151: "Capacitor"
C7 C183 C185: library part Capacitor_Polarized_1, "Capacitor"
C18: library part CAP_ALU_MAL215099101E3, "CAP - ALU 100uF 20% 50V - 1010"
D2 D3 D19 D20 D21 D22 D23 D24: "LED"
D4 D8 D9 D10.1 D10.2 D10.3 D10.4 D10.5 D10.6 D10.7 D10.8 D10.9 D10.10 D10.11 D10.12 D10.13 D10.14 D10.15 D10.16 D11.1 D11.2 D11.3 D11.4 D11.5 D11.6 D11.7 D11.8 D11.9 D11.10 D11.11 D11.12 D11.13 D11.14 D11.15 D11.16 D12.1 D12.2 D12.3 D12.4 D12.5 D12.6 D12.7 D12.8 D12.9 D12.10 D12.11 D12.12 D12.13 D12.14 D12.15 D12.16 D13.1 D13.2 D13.3 D13.4 D13.5 D13.6 D13.7 D13.8 D14.1 D14.2 D14.3 D14.4 D14.5 D14.6 D14.7 D14.8 D15.1 D15.2 D15.3 D15.4 D15.5 D15.6 D15.7 D15.8 D16.1 D16.2 D16.3 D16.4 D16.5 D16.6 D16.7 D16.8: "Diode"
D6: "Vf = 390mV, Vr = 20V"
J3: "20-pins"
J4: "USB On-The-Go (OTG) Mini-B Receptacle, Right Angle, SMT, 0.80mm (.031\") Pitch, Solder Tabs with Back Cover, Recessed Type"
J5.1 J5.2 J5.3 J5.4 J5.5 J5.6 J5.7 J5.8 J6.1 J6.2 J6.3 J6.4 J6.5 J6.6 J6.7 J6.8: library part CON_XH_JST_7pins
P1: "6-pins"
Q1: "PMOS"
Q2 Q3 Q4: "BJT NPN"
S1 S2 S3 S4: "Screw hole"
TP1 TP2 TP3 TP4 TP5 TP6 TP7 TP8 TP9 TP10 TP11 TP12 TP13 TP14 TP15 TP16 TP17 TP18: "Test point"
U1: "Fractional-N Clock Multiplier, Crystal Reference, MSOP10"
U2 U27: "Oscillator; 1V8 to 3V3"
U9: library part XMOS_XEF216-512-TQ128, "32-bit multicore microcontroller. 2 Tiles. 16 Logical Cores. 512KB SRAM. 1000MIPS. TQFP128."
U10: "USB overvoltage protection"
U11.1 U11.2 U22.1 U22.2: "Linear voltage regulator"
U12.1 U12.2: "ADC, 24bit, 8 chan, 192kHz, PCM, TDM, LQFP48"
U17.1 U17.2 U17.3 U17.4 U17.5 U17.6 U17.7 U17.8 U17.9 U17.10 U17.11 U17.12 U17.13 U17.14 U17.15 U17.16: "Dual amplifier (standard)"
U18.1 U18.2 U18.3 U18.4 U18.5 U18.6 U18.7 U18.8 U18.9 U18.10 U18.11 U18.12 U18.13 U18.14 U18.15 U18.16 U24.1 U24.2 U24.3 U24.4 U24.5 U24.6 U24.7 U24.8: "Quad amplifier (audio)"
U19: "DC-DC Buck Converter, 1.5A, 1.5MHz, DFN6"
U21: "Voltage supervisor and power-on timer, dual"
U23.1 U23.2: "DAC, 24-bit, 8 chan, 192kHz, PCM, TDM, DSD, LQFP48"
U28: "Dual amplifier (headphone driver)"

## Via types
v1: diameter 25, hole 12, Top Layer to Bottom Layer, 493 vias

## Nets (pads, with @x,y where several pads share a name; then routed paths per layer and width w, separated by ;. In a path a pad name is that pad's centre, name@x,y a point inside that pad or via, vN(x,y) a via of type N, cw(c..) or ccw(c..) an arc to the next point about the centre after c; other vN are vias at no path point)
1V2: C165.1 C166.1 C171.2 C172.2 C173.2 C174.2 L9.1 Q1.D U25.14 U25.18 U25.23 U25.26 U25.30 U25.39
3V3: D17.K R122.2 R124.2
+1V0: C89.1 C100.1 C101.1 C102.1 C105.1 C106.1 C109.1 C110.1 C113.1 C114.1 C117.1 C118.1 C119.1 L5.2 R74.1 R76.1 TP15.1 TP15.2 U9.11 U9.16 U9.17 U9.24 U9.36 U9.41 U9.49 U9.56 U9.60 U9.73 U9.80 U9.81 U9.87 U9.101 U9.102 U9.120 U9.126